# Altium PCB STM32F207VC.PcbDoc (part 8 of 16)
Units mm, origin at the board's own origin, x right, y up, seen from the top; angles counter-clockwise.
Board outline 99.19 x 99.95 mm, 2 copper layers (Top Layer, Bottom Layer); 127 components, 125 nets, 570 pads, 172 vias.
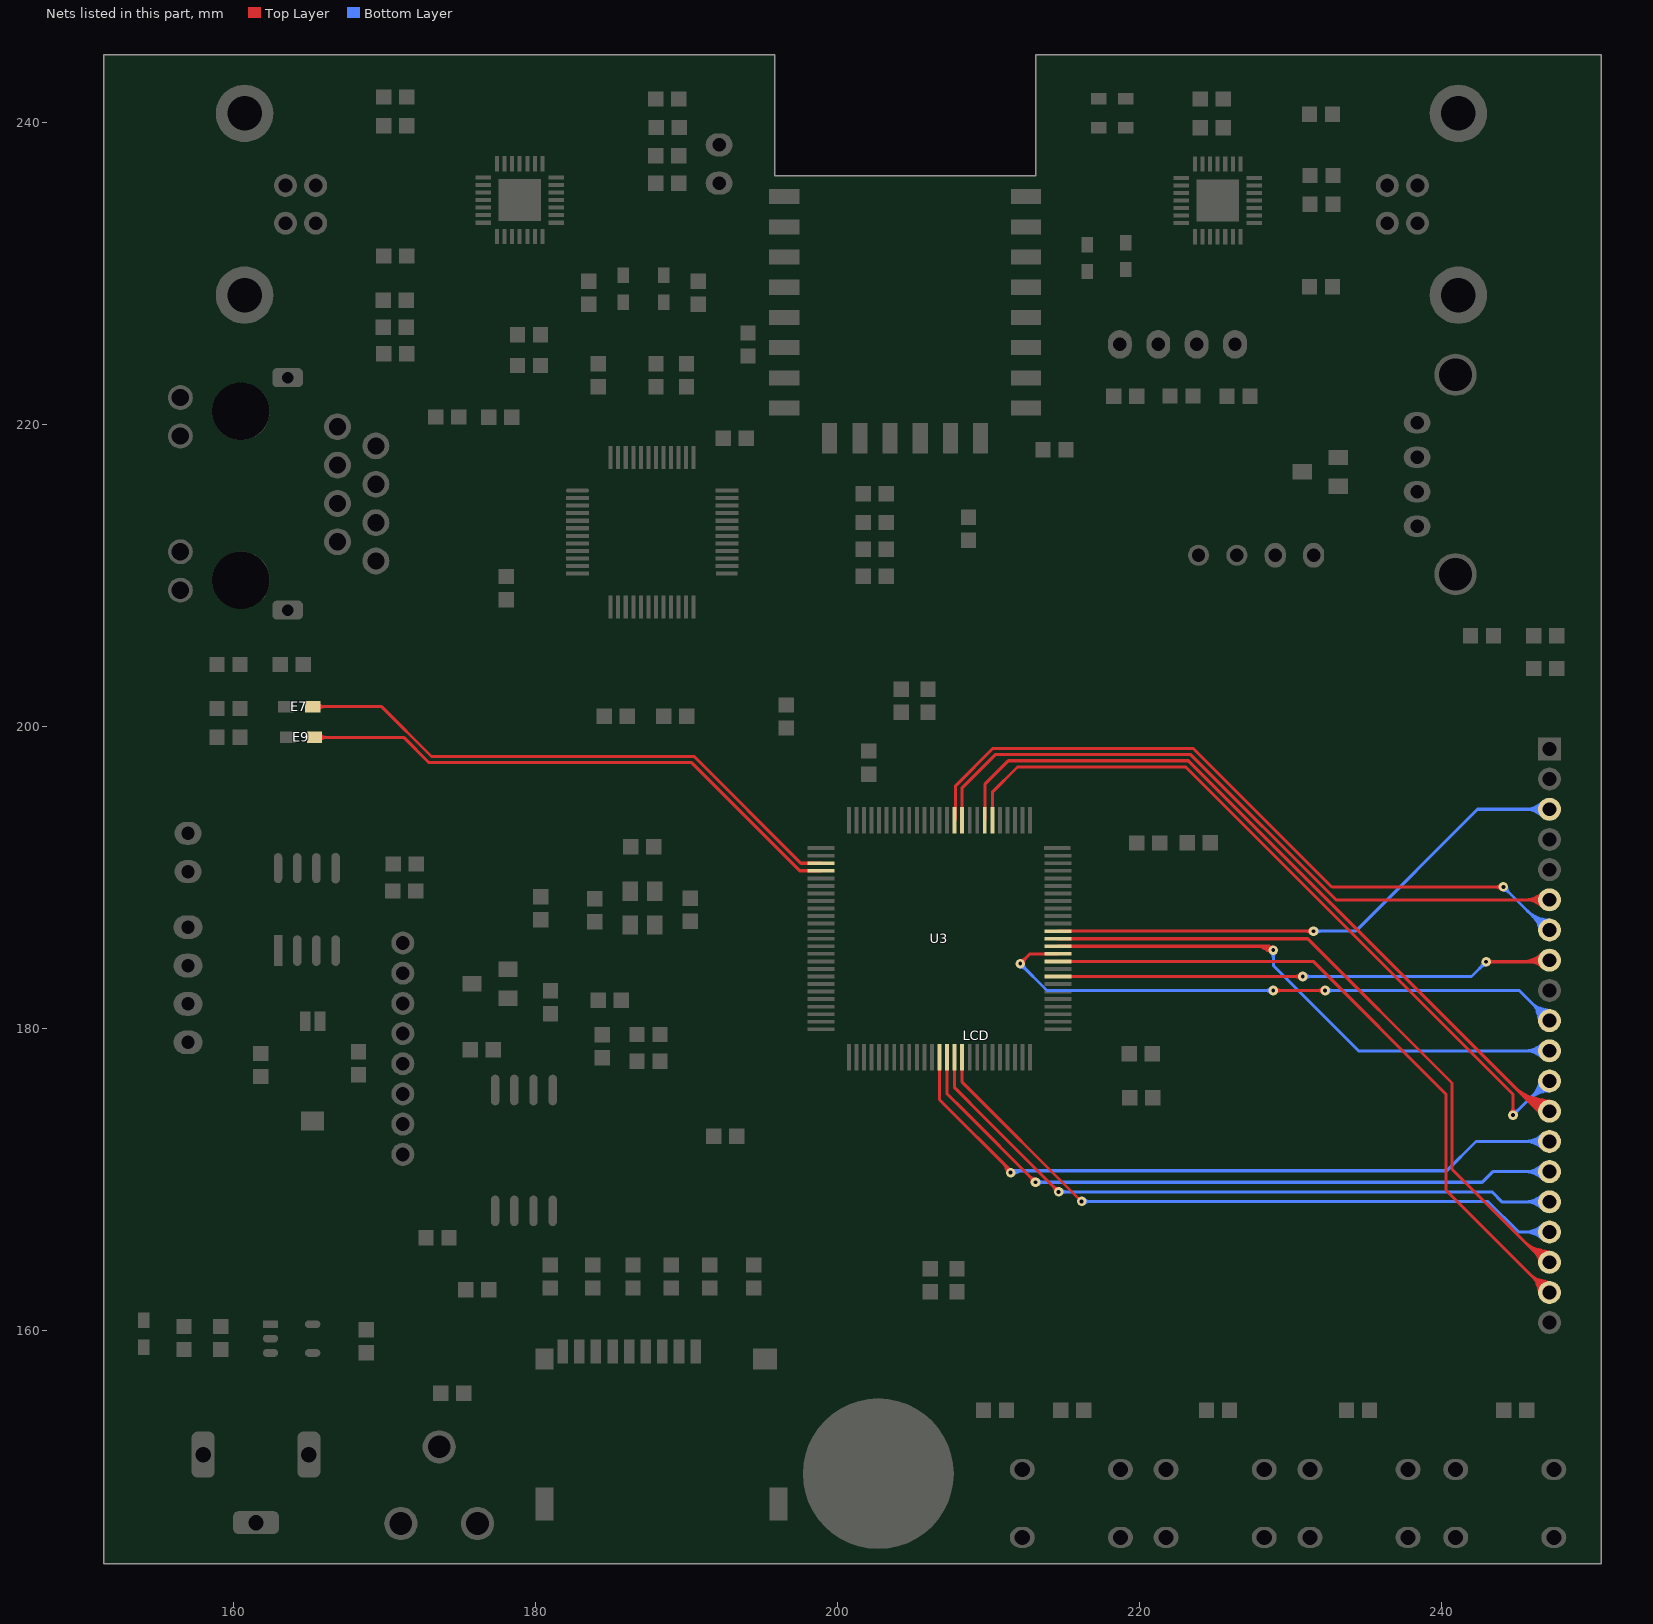
[diagram p8: the nets of this part, all layers, seen from the top]

## Via types
v1: diameter 0.635, hole 0.254, Top Layer to Bottom Layer, tented both sides, 152 vias
v2: diameter 0.635, hole 0.406, Top Layer to Bottom Layer, 18 vias
v3: diameter 1, hole 1, Top Layer to Bottom Layer, 2 vias

## Nets (pads, with @x,y where several pads share a name; then routed paths per layer and width w, separated by ;. In a path a pad name is that pad's centre, name@x,y a point inside that pad or via, vN(x,y) a via of type N, cw(c..) or ccw(c..) an arc to the next point about the centre after c; other vN are vias at no path point) (continued)
LCD_8BIT_/RD: LCD.6 U3.85 | length 62.9
  Top Layer w0.203: U3.85@208.245,193.778 208.245,195.926 210.439,198.12 223.393,198.12 233.009,188.504 LCD.6@247.147,188.504 ; 245.553,188.504 cw(c245.553,186.909) LCD.6@246.68,188.037 ; 245.553,188.504 ccw(c245.553,190.098) LCD.6@246.68,188.971 ; 245.553,188.504 cw(c245.553,186.909) LCD.6@246.68,188.037 ; 245.553,188.504 ccw(c245.553,190.098) LCD.6@246.68,188.971 ; 245.553,188.504 ccw(c245.553,190.098) LCD.6@246.68,188.971 ; 245.553,188.504 cw(c245.553,186.909) LCD.6@246.68,188.037 ; 245.553,188.504 ccw(c245.553,190.098) LCD.6@246.68,188.971 ; 245.553,188.504 cw(c245.553,186.909) LCD.6@246.68,188.037 ; 246.043,188.504 cw(c246.043,187.4) LCD.6@246.824,188.18 ; 246.043,188.504 ccw(c246.043,189.607) LCD.6@246.824,188.827 ; 246.043,188.504 cw(c246.043,187.4) LCD.6@246.824,188.18 ; 246.043,188.504 ccw(c246.043,189.607) LCD.6@246.824,188.827 ; 246.043,188.504 ccw(c246.043,189.607) LCD.6@246.824,188.827 ; 246.043,188.504 cw(c246.043,187.4) LCD.6@246.824,188.18 ; 246.043,188.504 ccw(c246.043,189.607) LCD.6@246.824,188.827 ; 246.043,188.504 cw(c246.043,187.4) LCD.6@246.824,188.18
LCD_8BIT_/RES: LCD.18 U3.63 | length 102.9
  Top Layer w0.203: U3.63@214.595,185.928 231.133,185.928 240.69,176.37 240.69,170.663 246.852,164.501 LCD.18@247.142,164.501 ; 245.52,165.833 ccw(c247.142,167.454) LCD.18@247.142,165.161 ; 245.52,165.833 ccw(c247.142,167.454) LCD.18@247.142,165.161 ; 245.52,165.833 ccw(c247.142,167.454) LCD.18@247.142,165.161 ; 245.52,165.833 ccw(c247.142,167.454) LCD.18@247.142,165.161 ; 245.867,165.486 ccw(c247.142,166.761) LCD.18@247.142,164.958 ; 245.867,165.486 ccw(c247.142,166.761) LCD.18@247.142,164.958 ; 245.867,165.486 ccw(c247.142,166.761) LCD.18@247.142,164.958 ; 245.867,165.486 ccw(c247.142,166.761) LCD.18@247.142,164.958 ; 246.045,165.455 cw(c245.648,163.974) LCD.18@247.094,164.484 ; 246.045,165.455 cw(c245.648,163.974) LCD.18@247.094,164.484 ; 246.045,165.455 cw(c245.648,163.974) LCD.18@247.094,164.484 ; 246.045,165.455 cw(c245.648,163.974) LCD.18@247.094,164.484 ; 246.045,165.455 cw(c245.648,163.974) LCD.18@247.094,164.484 ; 246.149,165.224 cw(c245.88,164.221) LCD.18@246.894,164.446 ; 246.149,165.224 cw(c245.88,164.221) LCD.18@246.894,164.446 ; 246.149,165.224 cw(c245.88,164.221) LCD.18@246.894,164.446 ; 246.149,165.224 cw(c245.88,164.221) LCD.18@246.894,164.446 ; 246.149,165.224 cw(c245.88,164.221) LCD.18@246.894,164.446 ; 246.149,165.224 cw(c245.88,164.221) LCD.18@246.894,164.446 ; 246.214,165.139 ccw(c247.142,166.067) LCD.18@247.142,164.755 ; 246.214,165.139 ccw(c247.142,166.067) LCD.18@247.142,164.755 ; 246.214,165.139 ccw(c247.142,166.067) LCD.18@247.142,164.755 ; 246.214,165.139 ccw(c247.142,166.067) LCD.18@247.142,164.755 ; 246.219,165.134 cw(c245.586,164.501) LCD.18@246.482,164.501 ; 246.219,165.134 cw(c245.586,164.501) LCD.18@246.482,164.501 ; 246.219,165.134 cw(c245.586,164.501) LCD.18@246.482,164.501 ; 246.219,165.134 cw(c245.586,164.501) LCD.18@246.482,164.501 ; 246.358,164.964 ccw(c247.16,165.179) LCD.18@247.138,164.348 ; 246.358,164.964 ccw(c247.16,165.179) LCD.18@247.138,164.348 ; 246.358,164.964 ccw(c247.16,165.179) LCD.18@247.138,164.348 ; 246.358,164.964 ccw(c247.16,165.179) LCD.18@247.138,164.348 ; 246.358,164.964 ccw(c247.16,165.179) LCD.18@247.138,164.348 ; 246.358,164.964 ccw(c247.16,165.179) LCD.18@247.138,164.348 ; 246.417,165.355 cw(c246.089,164.13) LCD.18@247.286,164.551 ; 246.417,165.355 cw(c246.089,164.13) LCD.18@247.286,164.551 ; 246.417,165.355 cw(c246.089,164.13) LCD.18@247.286,164.551 ; 246.417,165.355 cw(c246.089,164.13) LCD.18@247.286,164.551 ; 246.417,165.355 cw(c246.089,164.13) LCD.18@247.286,164.551 ; 246.472,165.137 cw(c246.249,164.302) LCD.18@247.092,164.49 ; 246.472,165.137 cw(c246.249,164.302) LCD.18@247.092,164.49 ; 246.472,165.137 cw(c246.249,164.302) LCD.18@247.092,164.49 ; 246.472,165.137 cw(c246.249,164.302) LCD.18@247.092,164.49 ; 246.472,165.137 cw(c246.249,164.302) LCD.18@247.092,164.49 ; 246.472,165.137 cw(c246.249,164.302) LCD.18@247.092,164.49 ; 246.635,165.154 ccw(c246.779,165.253) 246.855,165.095 cw(c246.779,165.253) 246.635,165.154 ; 246.635,165.154 cw(c246.468,165.039) 246.626,164.913 ccw(c246.468,165.039) 246.635,165.154 ; 246.79,165.255 cw(c246.53,164.285) LCD.18@247.477,164.619 ; 246.79,165.255 cw(c246.53,164.285) LCD.18@247.477,164.619 ; 246.79,165.255 cw(c246.53,164.285) LCD.18@247.477,164.619 ; 246.79,165.255 cw(c246.53,164.285) LCD.18@247.477,164.619 ; 246.79,165.255 cw(c246.53,164.285) LCD.18@247.477,164.619
LCD_8BIT_/WR: LCD.7 U3.86 | length 80.9
  Top Layer w0.203: U3.86@207.745,193.778 207.813,193.846 207.813,196.069 210.271,198.526 223.561,198.526 232.731,189.357 v1(244.094,189.357) ; U3.86@207.727,194.558 ccw(c207.519,194.766) 207.813,194.766 ; U3.86@207.727,194.558 ccw(c207.519,194.766) 207.813,194.766 ; U3.86@207.727,194.558 ccw(c207.519,194.766) 207.813,194.766 ; U3.86@207.727,194.558 ccw(c207.519,194.766) 207.813,194.766 ; 243.573,189.357 cw(c243.573,188.836) v1@243.941,189.204 ; 243.573,189.357 ccw(c243.573,189.878) v1@243.941,189.51 ; 243.573,189.357 cw(c243.573,188.836) v1@243.941,189.204 ; 243.573,189.357 ccw(c243.573,189.878) v1@243.941,189.51 ; 243.573,189.357 ccw(c243.573,189.878) v1@243.941,189.51 ; 243.573,189.357 cw(c243.573,188.836) v1@243.941,189.204 ; 243.573,189.357 ccw(c243.573,189.878) v1@243.941,189.51 ; 243.573,189.357 cw(c243.573,188.836) v1@243.941,189.204
  Bottom Layer w0.203: v1(244.094,189.357) 246.946,186.505 LCD.7@247.147,186.505 ; v1@244.094,189.141 cw(c244.094,188.62) 244.463,188.988 ; v1@244.094,189.141 cw(c244.094,188.62) 244.463,188.988 ; v1@244.094,189.141 cw(c244.094,188.62) 244.463,188.988 ; v1@244.094,189.141 cw(c244.094,188.62) 244.463,188.988 ; v1@244.31,189.357 ccw(c244.831,189.357) 244.463,188.988 ; v1@244.31,189.357 ccw(c244.831,189.357) 244.463,188.988 ; v1@244.31,189.357 ccw(c244.831,189.357) 244.463,188.988 ; v1@244.31,189.357 ccw(c244.831,189.357) 244.463,188.988 ; 245.677,187.774 ccw(c247.147,189.244) LCD.7@247.147,187.165 ; 245.677,187.774 ccw(c247.147,189.244) LCD.7@247.147,187.165 ; 245.677,187.774 ccw(c247.147,189.244) LCD.7@247.147,187.165 ; 245.677,187.774 ccw(c247.147,189.244) LCD.7@247.147,187.165 ; 246.024,187.427 ccw(c247.147,188.55) LCD.7@247.147,186.962 ; 246.024,187.427 ccw(c247.147,188.55) LCD.7@247.147,186.962 ; 246.024,187.427 ccw(c247.147,188.55) LCD.7@247.147,186.962 ; 246.024,187.427 ccw(c247.147,188.55) LCD.7@247.147,186.962 ; 246.162,187.289 cw(c245.377,186.505) LCD.7@246.487,186.505 ; 246.162,187.289 cw(c245.377,186.505) LCD.7@246.487,186.505 ; 246.162,187.289 cw(c245.377,186.505) LCD.7@246.487,186.505 ; 246.162,187.289 cw(c245.377,186.505) LCD.7@246.487,186.505 ; 246.371,187.08 ccw(c247.147,187.856) LCD.7@247.147,186.759 ; 246.371,187.08 ccw(c247.147,187.856) LCD.7@247.147,186.759 ; 246.371,187.08 ccw(c247.147,187.856) LCD.7@247.147,186.759 ; 246.371,187.08 ccw(c247.147,187.856) LCD.7@247.147,186.759 ; 246.508,186.943 cw(c246.071,186.505) LCD.7@246.69,186.505 ; 246.508,186.943 cw(c246.071,186.505) LCD.7@246.69,186.505 ; 246.508,186.943 cw(c246.071,186.505) LCD.7@246.69,186.505 ; 246.508,186.943 cw(c246.071,186.505) LCD.7@246.69,186.505 ; 246.525,187.128 cw(c246.322,186.37) LCD.7@247.097,186.496 ; 246.525,187.128 cw(c246.322,186.37) LCD.7@247.097,186.496 ; 246.525,187.128 cw(c246.322,186.37) LCD.7@247.097,186.496 ; 246.525,187.128 cw(c246.322,186.37) LCD.7@247.097,186.496 ; 246.525,187.128 cw(c246.322,186.37) LCD.7@247.097,186.496 ; 246.525,187.128 cw(c246.322,186.37) LCD.7@247.097,186.496
LCD_8BIT_BLEN: LCD.3 U3.64 | length 59.4
  Top Layer w0.203: U3.64@214.595,186.428 v1(231.513,186.428) ; 230.992,186.428 cw(c230.992,185.907) v1@231.36,186.275 ; 230.992,186.428 ccw(c230.992,186.949) v1@231.36,186.581 ; 230.992,186.428 cw(c230.992,185.907) v1@231.36,186.275 ; 230.992,186.428 ccw(c230.992,186.949) v1@231.36,186.581 ; 230.992,186.428 ccw(c230.992,186.949) v1@231.36,186.581 ; 230.992,186.428 cw(c230.992,185.907) v1@231.36,186.275 ; 230.992,186.428 ccw(c230.992,186.949) v1@231.36,186.581 ; 230.992,186.428 cw(c230.992,185.907) v1@231.36,186.275
  Bottom Layer w0.203: v1(231.513,186.428) 234.307,186.428 242.382,194.503 LCD.3@247.147,194.503 ; v1@231.666,186.275 cw(c232.034,185.907) 232.034,186.428 ; v1@231.666,186.275 cw(c232.034,185.907) 232.034,186.428 ; v1@231.666,186.275 cw(c232.034,185.907) 232.034,186.428 ; v1@231.666,186.275 cw(c232.034,185.907) 232.034,186.428 ; v1@231.666,186.581 ccw(c232.034,186.949) 232.034,186.428 ; v1@231.666,186.581 ccw(c232.034,186.949) 232.034,186.428 ; v1@231.666,186.581 ccw(c232.034,186.949) 232.034,186.428 ; v1@231.666,186.581 ccw(c232.034,186.949) 232.034,186.428 ; 245.553,194.503 cw(c245.553,192.909) LCD.3@246.68,194.036 ; 245.553,194.503 ccw(c245.553,196.097) LCD.3@246.68,194.97 ; 245.553,194.503 cw(c245.553,192.909) LCD.3@246.68,194.036 ; 245.553,194.503 ccw(c245.553,196.097) LCD.3@246.68,194.97 ; 245.553,194.503 ccw(c245.553,196.097) LCD.3@246.68,194.97 ; 245.553,194.503 cw(c245.553,192.909) LCD.3@246.68,194.036 ; 245.553,194.503 ccw(c245.553,196.097) LCD.3@246.68,194.97 ; 245.553,194.503 cw(c245.553,192.909) LCD.3@246.68,194.036 ; 246.043,194.503 cw(c246.043,193.399) LCD.3@246.824,194.18 ; 246.043,194.503 ccw(c246.043,195.607) LCD.3@246.824,194.826 ; 246.043,194.503 cw(c246.043,193.399) LCD.3@246.824,194.18 ; 246.043,194.503 ccw(c246.043,195.607) LCD.3@246.824,194.826 ; 246.043,194.503 ccw(c246.043,195.607) LCD.3@246.824,194.826 ; 246.043,194.503 cw(c246.043,193.399) LCD.3@246.824,194.18 ; 246.043,194.503 ccw(c246.043,195.607) LCD.3@246.824,194.826 ; 246.043,194.503 cw(c246.043,193.399) LCD.3@246.824,194.18
LCD_8BIT_D0: LCD.10 U3.61 | length 106.4
  Top Layer w0.203: v1(212.09,184.277) 212.741,184.928 U3.61@214.595,184.928 ; v1(228.854,182.499) v1(232.283,182.499) ; v1@212.087,184.289 ccw(c212.01,184.669) 212.384,184.569 ; v1@212.087,184.289 ccw(c212.01,184.669) 212.384,184.569 ; v1@212.087,184.289 ccw(c212.01,184.669) 212.384,184.569 ; v1@212.087,184.289 ccw(c212.01,184.669) 212.384,184.569 ; v1@212.087,184.289 ccw(c212.01,184.669) 212.384,184.569 ; v1@212.087,184.289 ccw(c212.01,184.669) 212.384,184.569 ; v1@212.09,184.493 ccw(c212.09,185.014) 212.459,184.646 ; v1@212.09,184.493 ccw(c212.09,185.014) 212.459,184.646 ; v1@212.09,184.493 ccw(c212.09,185.014) 212.459,184.646 ; v1@212.09,184.493 ccw(c212.09,185.014) 212.459,184.646 ; v1@212.102,184.274 cw(c212.482,184.197) 212.382,184.571 ; v1@212.102,184.274 cw(c212.482,184.197) 212.382,184.571 ; v1@212.102,184.274 cw(c212.482,184.197) 212.382,184.571 ; v1@212.102,184.274 cw(c212.482,184.197) 212.382,184.571 ; v1@212.102,184.274 cw(c212.482,184.197) 212.382,184.571 ; v1@212.102,184.274 cw(c212.482,184.197) 212.382,184.571 ; v1@212.306,184.277 cw(c212.827,184.277) 212.459,184.646 ; v1@212.306,184.277 cw(c212.827,184.277) 212.459,184.646 ; v1@212.306,184.277 cw(c212.827,184.277) 212.459,184.646 ; v1@212.306,184.277 cw(c212.827,184.277) 212.459,184.646 ; v1@229.007,182.346 cw(c229.375,181.978) 229.375,182.499 ; v1@229.007,182.346 cw(c229.375,181.978) 229.375,182.499 ; v1@229.007,182.346 cw(c229.375,181.978) 229.375,182.499 ; v1@229.007,182.346 cw(c229.375,181.978) 229.375,182.499 ; v1@229.007,182.652 ccw(c229.375,183.02) 229.375,182.499 ; v1@229.007,182.652 ccw(c229.375,183.02) 229.375,182.499 ; v1@229.007,182.652 ccw(c229.375,183.02) 229.375,182.499 ; v1@229.007,182.652 ccw(c229.375,183.02) 229.375,182.499 ; 231.762,182.499 cw(c231.762,181.978) v1@232.13,182.346 ; 231.762,182.499 ccw(c231.762,183.02) v1@232.13,182.652 ; 231.762,182.499 cw(c231.762,181.978) v1@232.13,182.346 ; 231.762,182.499 ccw(c231.762,183.02) v1@232.13,182.652 ; 231.762,182.499 ccw(c231.762,183.02) v1@232.13,182.652 ; 231.762,182.499 cw(c231.762,181.978) v1@232.13,182.346 ; 231.762,182.499 ccw(c231.762,183.02) v1@232.13,182.652 ; 231.762,182.499 cw(c231.762,181.978) v1@232.13,182.346
  Bottom Layer w0.203: v1(212.09,184.277) 213.868,182.499 v1(228.854,182.499) ; v1(232.283,182.499) 245.151,182.499 LCD.10@247.147,180.503 ; v1@212.09,184.061 cw(c212.09,183.54) 212.459,183.908 ; v1@212.09,184.061 cw(c212.09,183.54) 212.459,183.908 ; v1@212.09,184.061 cw(c212.09,183.54) 212.459,183.908 ; v1@212.09,184.061 cw(c212.09,183.54) 212.459,183.908 ; v1@212.306,184.277 ccw(c212.827,184.277) 212.459,183.908 ; v1@212.306,184.277 ccw(c212.827,184.277) 212.459,183.908 ; v1@212.306,184.277 ccw(c212.827,184.277) 212.459,183.908 ; v1@212.306,184.277 ccw(c212.827,184.277) 212.459,183.908 ; 228.333,182.499 cw(c228.333,181.978) v1@228.701,182.346 ; 228.333,182.499 ccw(c228.333,183.02) v1@228.701,182.652 ; 228.333,182.499 cw(c228.333,181.978) v1@228.701,182.346 ; 228.333,182.499 ccw(c228.333,183.02) v1@228.701,182.652 ; 228.333,182.499 ccw(c228.333,183.02) v1@228.701,182.652 ; 228.333,182.499 cw(c228.333,181.978) v1@228.701,182.346 ; 228.333,182.499 ccw(c228.333,183.02) v1@228.701,182.652 ; 228.333,182.499 cw(c228.333,181.978) v1@228.701,182.346 ; v1@232.436,182.346 cw(c232.804,181.978) 232.804,182.499 ; v1@232.436,182.346 cw(c232.804,181.978) 232.804,182.499 ; v1@232.436,182.346 cw(c232.804,181.978) 232.804,182.499 ; v1@232.436,182.346 cw(c232.804,181.978) 232.804,182.499 ; v1@232.436,182.652 ccw(c232.804,183.02) 232.804,182.499 ; v1@232.436,182.652 ccw(c232.804,183.02) 232.804,182.499 ; v1@232.436,182.652 ccw(c232.804,183.02) 232.804,182.499 ; v1@232.436,182.652 ccw(c232.804,183.02) 232.804,182.499 ; 246.02,181.63 cw(c244.892,180.503) LCD.10@246.487,180.503 ; 246.02,181.63 ccw(c247.147,182.757) LCD.10@247.147,181.163 ; 246.02,181.63 cw(c244.892,180.503) LCD.10@246.487,180.503 ; 246.02,181.63 ccw(c247.147,182.757) LCD.10@247.147,181.163 ; 246.02,181.63 ccw(c247.147,182.757) LCD.10@247.147,181.163 ; 246.02,181.63 cw(c244.892,180.503) LCD.10@246.487,180.503 ; 246.02,181.63 ccw(c247.147,182.757) LCD.10@247.147,181.163 ; 246.02,181.63 cw(c244.892,180.503) LCD.10@246.487,180.503 ; 246.328,181.096 ccw(c247.323,181.363) LCD.10@247.117,180.353 ; 246.328,181.096 ccw(c247.323,181.363) LCD.10@247.117,180.353 ; 246.328,181.096 ccw(c247.323,181.363) LCD.10@247.117,180.353 ; 246.328,181.096 ccw(c247.323,181.363) LCD.10@247.117,180.353 ; 246.328,181.096 ccw(c247.323,181.363) LCD.10@247.117,180.353 ; 246.328,181.096 ccw(c247.323,181.363) LCD.10@247.117,180.353 ; 246.367,181.283 cw(c245.586,180.503) LCD.10@246.69,180.503 ; 246.367,181.283 ccw(c247.147,182.064) LCD.10@247.147,180.96 ; 246.367,181.283 cw(c245.586,180.503) LCD.10@246.69,180.503 ; 246.367,181.283 ccw(c247.147,182.064) LCD.10@247.147,180.96 ; 246.367,181.283 ccw(c247.147,182.064) LCD.10@247.147,180.96 ; 246.367,181.283 cw(c245.586,180.503) LCD.10@246.69,180.503 ; 246.367,181.283 ccw(c247.147,182.064) LCD.10@247.147,180.96 ; 246.367,181.283 cw(c245.586,180.503) LCD.10@246.69,180.503 ; 246.413,180.779 ccw(c247.25,181.003) LCD.10@247.076,180.154 ; 246.413,180.779 ccw(c247.25,181.003) LCD.10@247.076,180.154 ; 246.413,180.779 ccw(c247.25,181.003) LCD.10@247.076,180.154 ; 246.413,180.779 ccw(c247.25,181.003) LCD.10@247.076,180.154 ; 246.413,180.779 ccw(c247.25,181.003) LCD.10@247.076,180.154 ; 246.413,180.779 ccw(c247.25,181.003) LCD.10@247.076,180.154 ; 246.553,181.322 cw(c246.286,180.326) LCD.10@247.296,180.533 ; 246.553,181.322 cw(c246.286,180.326) LCD.10@247.296,180.533 ; 246.553,181.322 cw(c246.286,180.326) LCD.10@247.296,180.533 ; 246.553,181.322 cw(c246.286,180.326) LCD.10@247.296,180.533 ; 246.553,181.322 cw(c246.286,180.326) LCD.10@247.296,180.533 ; 246.553,181.322 cw(c246.286,180.326) LCD.10@247.296,180.533 ; 246.871,181.237 cw(c246.647,180.4) LCD.10@247.495,180.574 ; 246.871,181.237 cw(c246.647,180.4) LCD.10@247.495,180.574 ; 246.871,181.237 cw(c246.647,180.4) LCD.10@247.495,180.574 ; 246.871,181.237 cw(c246.647,180.4) LCD.10@247.495,180.574 ; 246.871,181.237 cw(c246.647,180.4) LCD.10@247.495,180.574 ; 246.871,181.237 cw(c246.647,180.4) LCD.10@247.495,180.574
LCD_8BIT_D1: LCD.11 U3.62 | length 76.5
  Top Layer w0.203: U3.62@214.595,185.428 228.6,185.428 ; v1(228.854,185.174) 228.6,185.428 ; 227.72,185.428 cw(c227.72,184.04) v1@228.701,185.021 ; 227.72,185.428 cw(c227.72,184.04) v1@228.701,185.021 ; 227.72,185.428 cw(c227.72,184.04) v1@228.701,185.021 ; 227.72,185.428 cw(c227.72,184.04) v1@228.701,185.021 ; 228.183,185.32 ccw(c228.433,185.754) v1@228.727,185.349 ; 228.183,185.32 ccw(c228.433,185.754) v1@228.727,185.349 ; 228.183,185.32 ccw(c228.433,185.754) v1@228.727,185.349 ; 228.183,185.32 ccw(c228.433,185.754) v1@228.727,185.349 ; 228.183,185.32 ccw(c228.433,185.754) v1@228.727,185.349 ; 228.183,185.32 ccw(c228.433,185.754) v1@228.727,185.349 ; 228.21,185.428 cw(c228.21,184.53) v1@228.845,185.165 ; 228.21,185.428 cw(c228.21,184.53) v1@228.845,185.165 ; 228.21,185.428 cw(c228.21,184.53) v1@228.845,185.165 ; 228.21,185.428 cw(c228.21,184.53) v1@228.845,185.165 ; 228.449,185.394 cw(c228.245,185.041) v1@228.643,185.128 ; 228.449,185.394 ccw(c228.631,185.709) v1@228.771,185.373 ; 228.449,185.394 cw(c228.245,185.041) v1@228.643,185.128 ; 228.449,185.394 ccw(c228.631,185.709) v1@228.771,185.373 ; 228.449,185.394 cw(c228.245,185.041) v1@228.643,185.128 ; 228.449,185.394 ccw(c228.631,185.709) v1@228.771,185.373 ; 228.449,185.394 ccw(c228.631,185.709) v1@228.771,185.373 ; 228.449,185.394 cw(c228.245,185.041) v1@228.643,185.128 ; 228.449,185.394 ccw(c228.631,185.709) v1@228.771,185.373 ; 228.449,185.394 cw(c228.245,185.041) v1@228.643,185.128 ; 228.449,185.394 ccw(c228.631,185.709) v1@228.771,185.373 ; 228.449,185.394 cw(c228.245,185.041) v1@228.643,185.128 ; 228.454,185.164 ccw(c228.635,185.476) v1@228.847,185.184 ; 228.454,185.164 ccw(c228.635,185.476) v1@228.847,185.184 ; 228.454,185.164 ccw(c228.635,185.476) v1@228.847,185.184 ; 228.454,185.164 ccw(c228.635,185.476) v1@228.847,185.184 ; 228.454,185.164 ccw(c228.635,185.476) v1@228.847,185.184 ; 228.454,185.164 ccw(c228.635,185.476) v1@228.847,185.184 ; 228.56,185.345 cw(c228.594,185.086) v1@228.842,185.17 ; 228.56,185.345 cw(c228.594,185.086) v1@228.842,185.17 ; 228.56,185.345 cw(c228.594,185.086) v1@228.842,185.17 ; 228.56,185.345 cw(c228.594,185.086) v1@228.842,185.17 ; 228.6,185.428 cw(c228.465,185.293) v1@228.648,185.237 ; 228.6,185.428 ccw(c228.735,185.563) v1@228.791,185.38 ; 228.6,185.428 cw(c228.465,185.293) v1@228.648,185.237 ; 228.6,185.428 ccw(c228.735,185.563) v1@228.791,185.38 ; 228.6,185.428 ccw(c228.735,185.563) v1@228.791,185.38 ; 228.6,185.428 cw(c228.465,185.293) v1@228.648,185.237 ; 228.6,185.428 ccw(c228.735,185.563) v1@228.791,185.38 ; 228.6,185.428 cw(c228.465,185.293) v1@228.648,185.237
  Bottom Layer w0.203: v1(228.854,185.174) 228.854,184.15 234.5,178.504 LCD.11@247.147,178.504 ; v1@228.701,185.021 cw(c228.333,184.653) 228.854,184.653 ; v1@228.701,185.021 cw(c228.333,184.653) 228.854,184.653 ; v1@228.701,185.021 cw(c228.333,184.653) 228.854,184.653 ; v1@228.701,185.021 cw(c228.333,184.653) 228.854,184.653 ; 228.854,184.653 cw(c229.375,184.653) v1@229.007,185.021 ; 228.854,184.653 cw(c229.375,184.653) v1@229.007,185.021 ; 228.854,184.653 cw(c229.375,184.653) v1@229.007,185.021 ; 228.854,184.653 cw(c229.375,184.653) v1@229.007,185.021 ; 245.553,178.504 cw(c245.553,176.909) LCD.11@246.68,178.037 ; 245.553,178.504 ccw(c245.553,180.098) LCD.11@246.68,178.971 ; 245.553,178.504 cw(c245.553,176.909) LCD.11@246.68,178.037 ; 245.553,178.504 ccw(c245.553,180.098) LCD.11@246.68,178.971 ; 245.553,178.504 ccw(c245.553,180.098) LCD.11@246.68,178.971 ; 245.553,178.504 cw(c245.553,176.909) LCD.11@246.68,178.037 ; 245.553,178.504 ccw(c245.553,180.098) LCD.11@246.68,178.971 ; 245.553,178.504 cw(c245.553,176.909) LCD.11@246.68,178.037 ; 246.043,178.504 cw(c246.043,177.4) LCD.11@246.824,178.18 ; 246.043,178.504 ccw(c246.043,179.607) LCD.11@246.824,178.827 ; 246.043,178.504 cw(c246.043,177.4) LCD.11@246.824,178.18 ; 246.043,178.504 ccw(c246.043,179.607) LCD.11@246.824,178.827 ; 246.043,178.504 ccw(c246.043,179.607) LCD.11@246.824,178.827 ; 246.043,178.504 cw(c246.043,177.4) LCD.11@246.824,178.18 ; 246.043,178.504 ccw(c246.043,179.607) LCD.11@246.824,178.827 ; 246.043,178.504 cw(c246.043,177.4) LCD.11@246.824,178.18
LCD_8BIT_D2: LCD.12 U3.81 | length 77.4
  Top Layer w0.203: U3.81@210.245,193.778 210.245,195.64 211.912,197.307 223.056,197.307 244.729,175.635 v1(244.729,174.244) ; v1@244.576,174.397 ccw(c244.208,174.765) 244.729,174.765 ; v1@244.576,174.397 ccw(c244.208,174.765) 244.729,174.765 ; v1@244.576,174.397 ccw(c244.208,174.765) 244.729,174.765 ; v1@244.576,174.397 ccw(c244.208,174.765) 244.729,174.765 ; 244.729,174.765 ccw(c245.25,174.765) v1@244.882,174.397 ; 244.729,174.765 ccw(c245.25,174.765) v1@244.882,174.397 ; 244.729,174.765 ccw(c245.25,174.765) v1@244.882,174.397 ; 244.729,174.765 ccw(c245.25,174.765) v1@244.882,174.397